# Altium PCB GPS_MODULE_ZED-F9T.PcbDoc
Units mil, origin at the board's own origin, x right, y up, seen from the top; angles counter-clockwise.
Board outline 2644.72 x 1250.12 mil, 4 copper layers (Top Layer, Int1 (GND), Int2 (GND), Bottom Layer), stack 61.24 mil thick; 40 components, 32 nets, 195 pads, 699 vias.
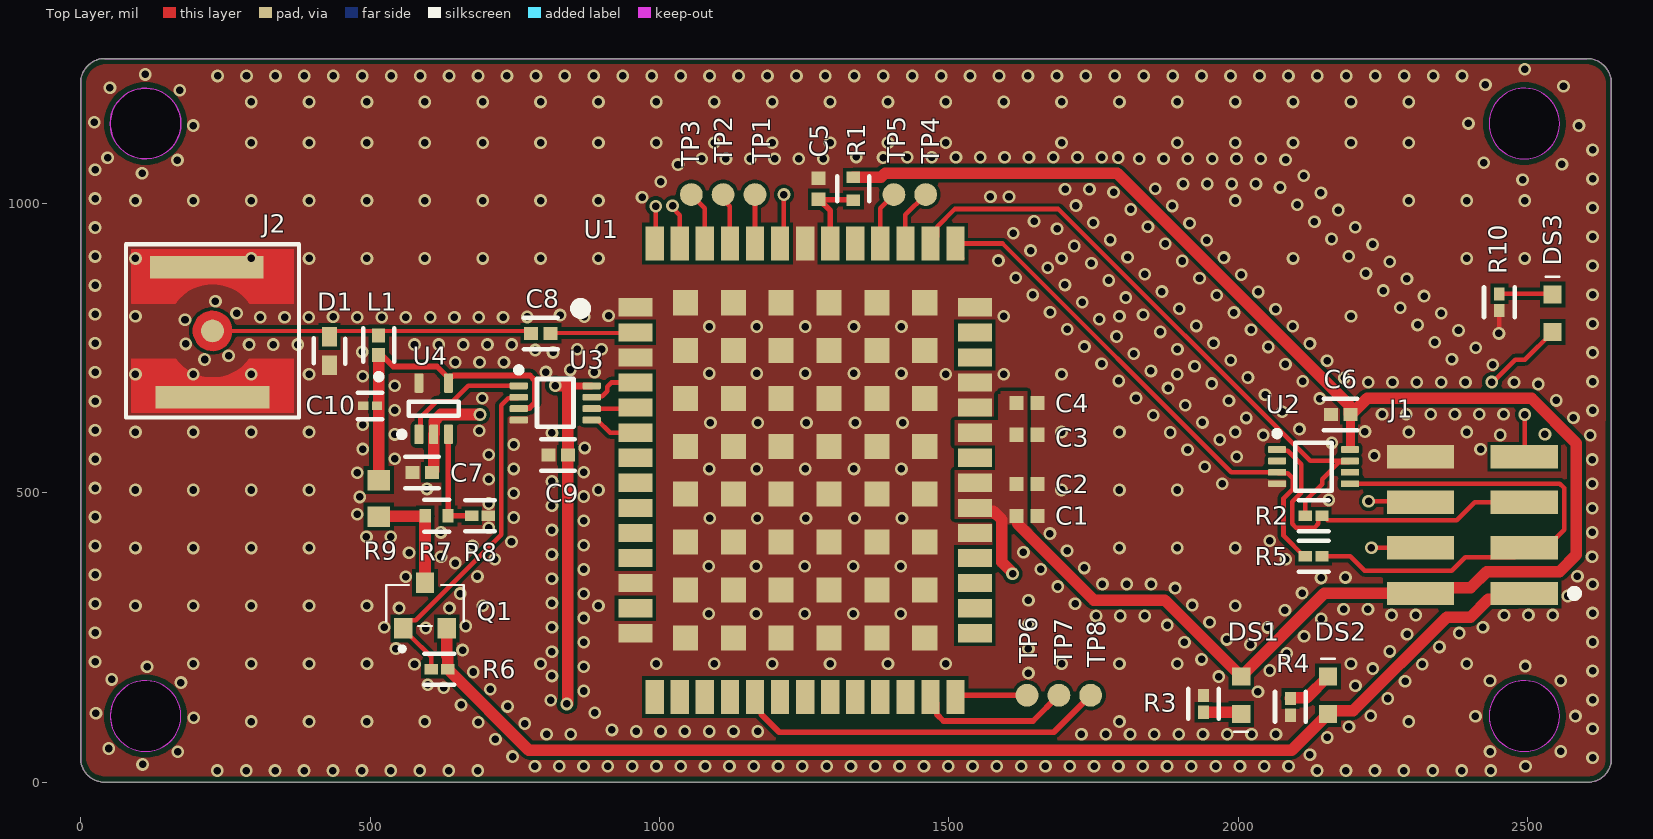
[diagram p0: Top Layer view]
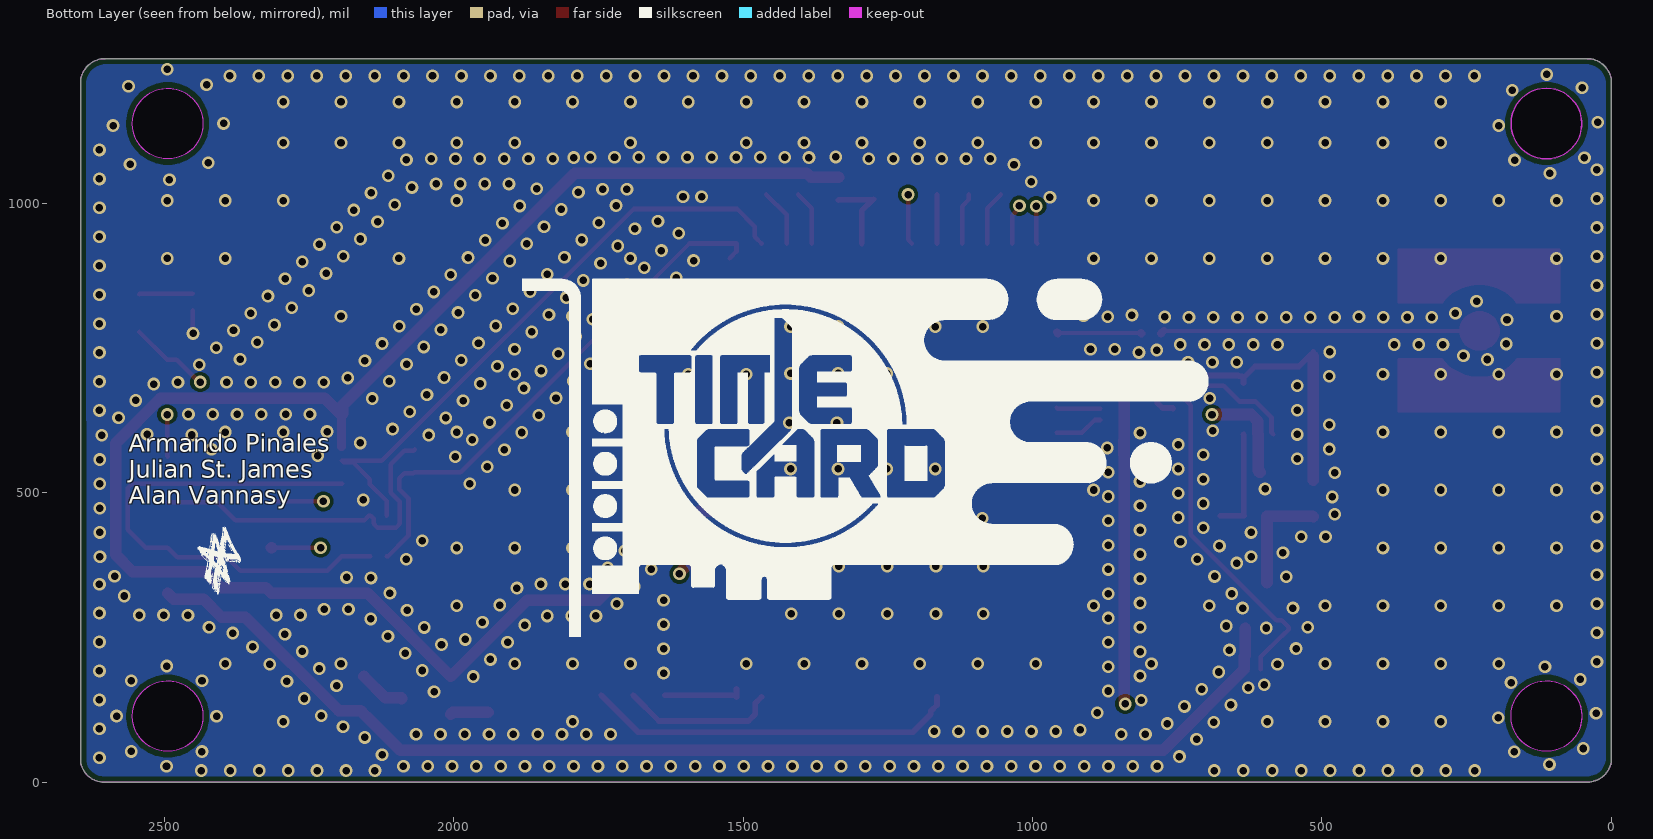
[diagram p1: Bottom Layer view, seen from below]
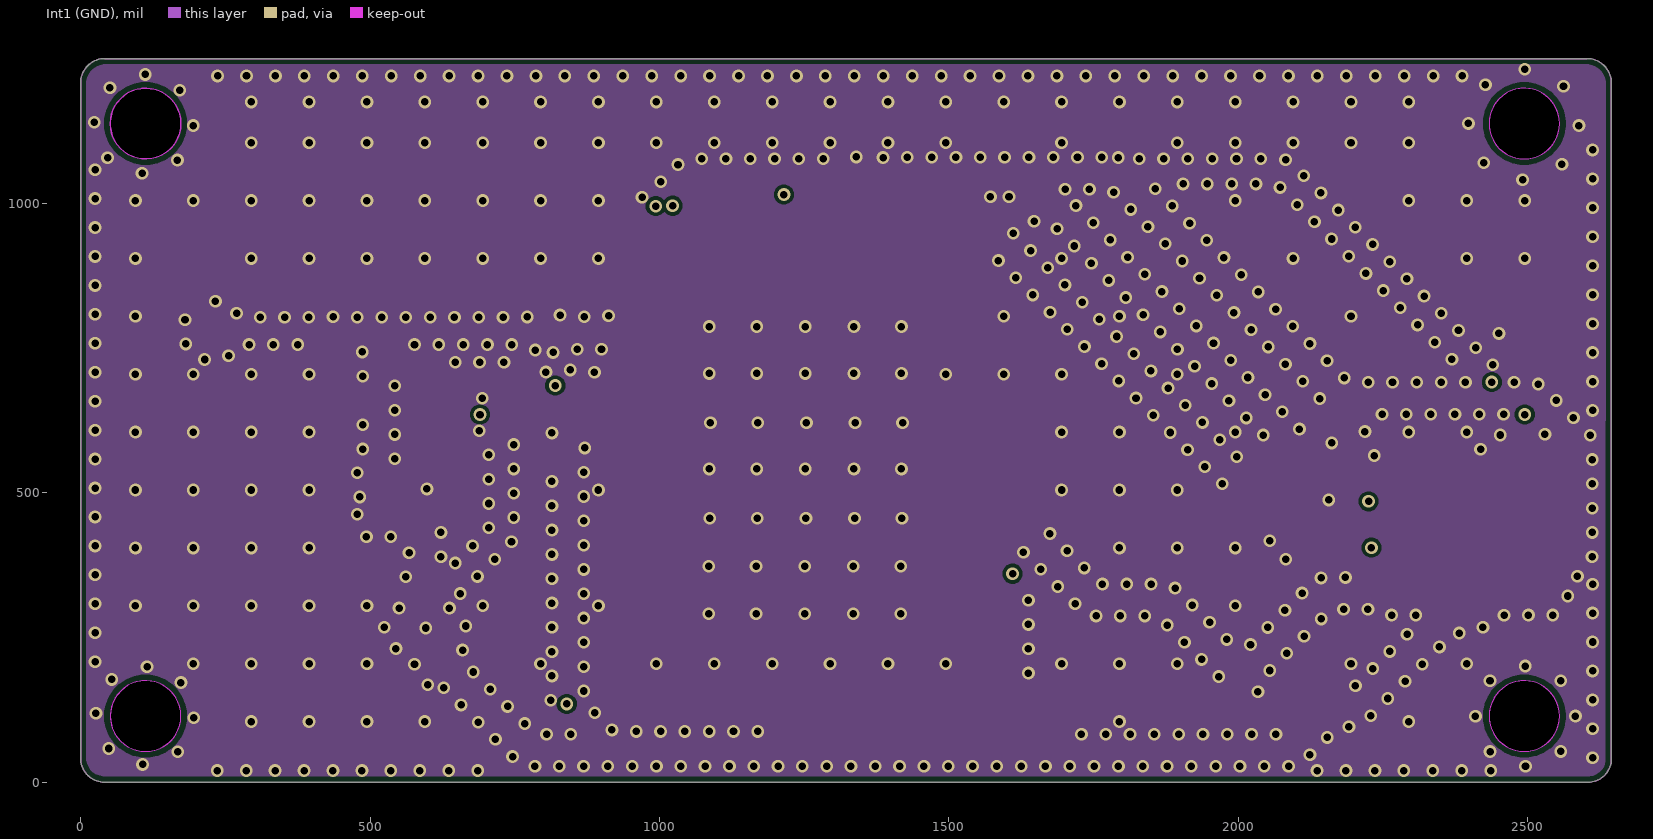
[diagram p2: Int1 (GND)]
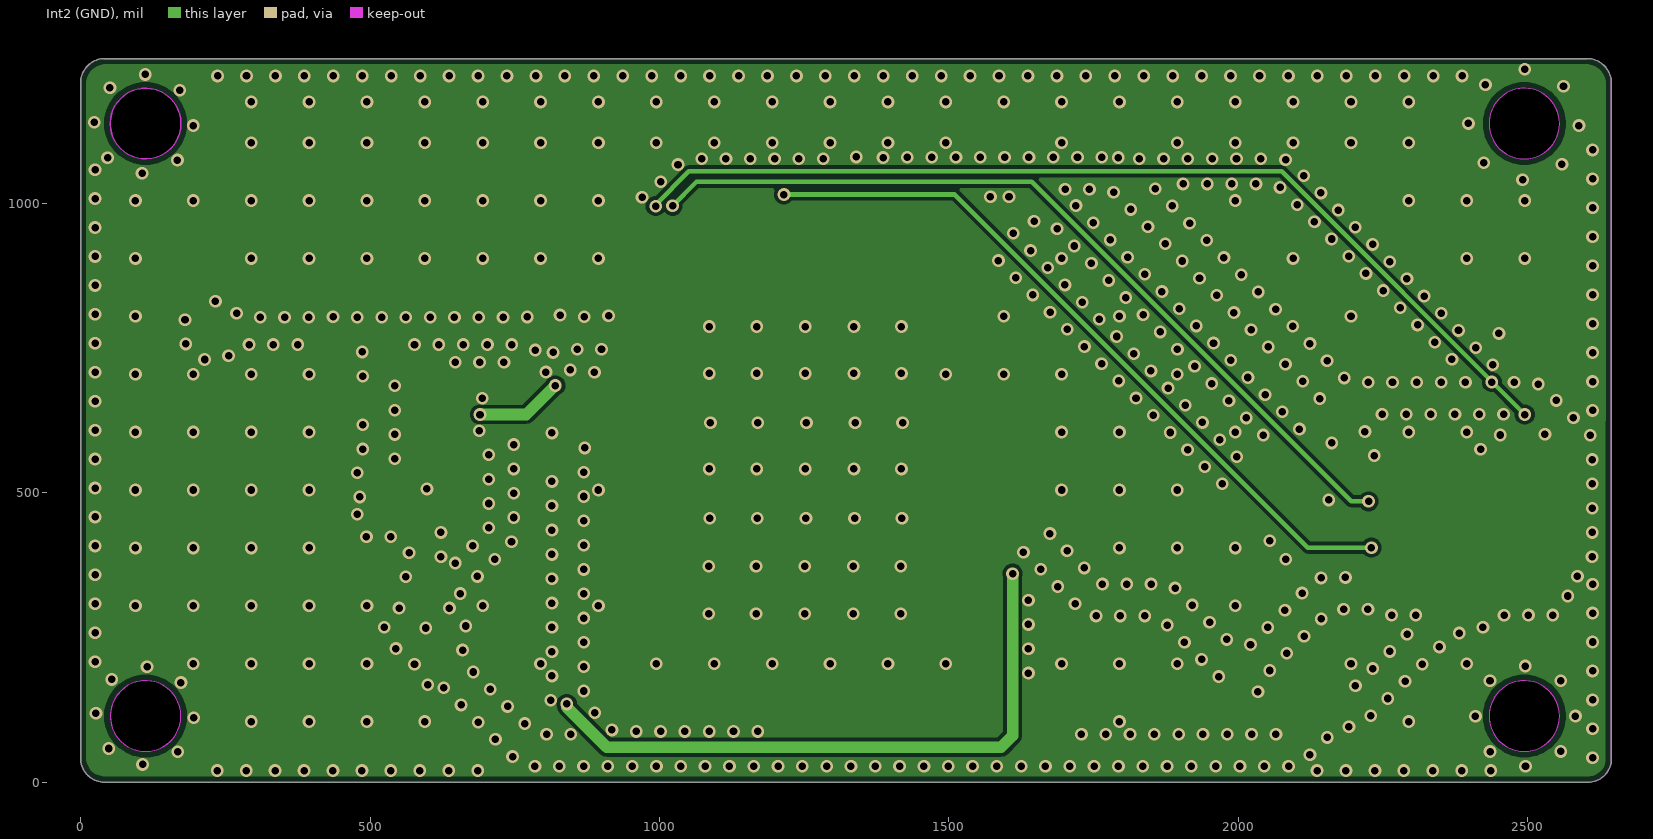
[diagram p3: Int2 (GND)]
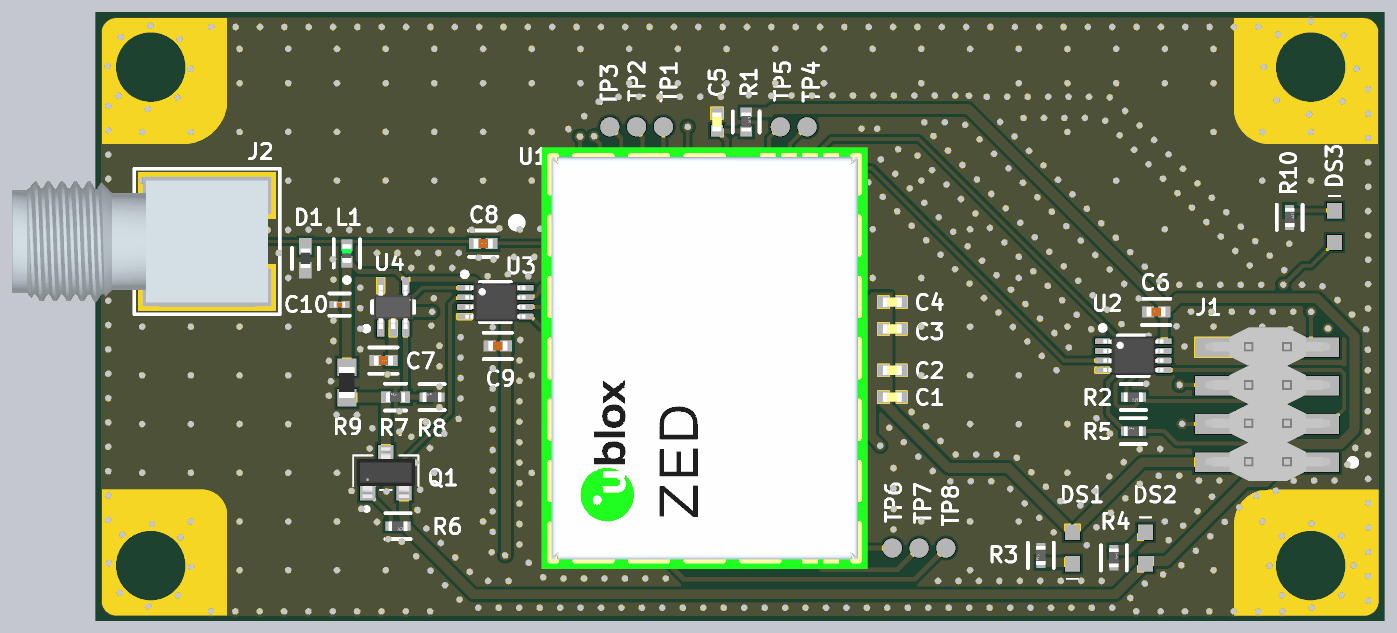
[diagram p4: 3D render of the assembled board from above, using the file's embedded part models]

## Layer stack, top to bottom
Top Solder: solder mask 0.6, SM-001, Dk 3.9
Top Layer: signal copper 1.8
Dielectric 2: prepreg 4.12, PP-021, Dk 3.7
Int1 (GND): signal copper 1.2
Dielectric 3: core 47, Core-039, Dk 4.04
Int2 (GND): signal copper 1.2
Dielectric 4: prepreg 4.12, PP-021, Dk 3.7
Bottom Layer: signal copper 1.8
Bottom Solder: solder mask 0.6, SM-001, Dk 3.9

## Board outline
0,41.14 ccw(c41.14,41.14) 41.14,0 2604.45,-0.16 ccw(c2604.41,39.96) 2644.53,39.96 2644.65,1207.48 ccw(c2602.13,1207.44) 2602.13,1249.96 42.05,1249.88 ccw(c42.09,1207.72) -0.08,1207.72
cut-out: 2433.11,1137.64 ccw(c2494.13,1137.64) 2494.13,1076.61 ccw(c2494.13,1137.64) 2555.16,1137.64 ccw(c2494.13,1137.64) 2494.13,1198.66 ccw(c2494.13,1137.64)
cut-out: 2433.11,114.02 ccw(c2494.13,114.02) 2494.13,52.99 ccw(c2494.13,114.02) 2555.16,114.02 ccw(c2494.13,114.02) 2494.13,175.04 ccw(c2494.13,114.02)
cut-out: 51.22,114.02 ccw(c112.24,114.02) 112.24,52.99 ccw(c112.24,114.02) 173.27,114.02 ccw(c112.24,114.02) 112.24,175.04 ccw(c112.24,114.02)
cut-out: 112.24,1076.61 cw(c112.24,1137.64) 51.22,1137.64 cw(c112.24,1137.64) 112.24,1198.66 cw(c112.24,1137.64) 173.27,1137.64 cw(c112.24,1137.64)

## Design rules (kind name [scope] priority, off if disabled: settings)
BoardOutlineClearance [All] p1: gap=10 ignorepadtopadclearanceinfootprint=FALSE except(0: Arc-SplitContinuation Track-SplitContinuation SMDPad-SplitContinuation THPad-SplitContinuation Via-SplitContinuation Fill-SplitContinuation Poly-SplitContinuation Region-SplitContinuation Text-SplitContinuation)
Clearance [All] p1: gap=6 ignorepadtopadclearanceinfootprint=FALSE
HoleSize [All] p1: absolutevalues=TRUE maxlimit=248.03 minlimit=11.81 maxpercent=80.000 minpercent=20.000
MinimumSolderMaskSliver [All] p1: minsoldermaskwidth=6
PolygonConnect [All] p1: connectstyle=Direct reliefconductorwidth=10 reliefentries=4 polygonreliefangle="90 Angle" airgapwidth=10
RoutingVias [All] p1: holewidth=12 width=18 viastyle="Through Hole" minholewidth=12 minwidth=18 maxholewidth=28 maxwidth=50
SilkToSolderMaskClearance [IsPad] p1: minsilkscreentomaskgap=6 clearancetoexposedcopper=TRUE
SolderMaskExpansion [All] p1: expansion=2 istentingtop=FALSE
Width RF [InNetClass('RF')] p1: maxlimit=13.24 minlimit=5 preferedwidth=13.24 toplayer_prefwidth=7 bottomlayer_prefwidth=7 impedanceprofiledriven=TRUE impedanceprofileid={1FA9C217-3A50-41E3-A2B0-EC4E4B4F348F} impedanceprofilevalue=50.000000 minimp=50.000000 maximp=50.000000 favimp=50.000000
Width [All] p2: maxlimit=20 minlimit=6 preferedwidth=8 minimp=50.000000 maximp=50.000000 favimp=50.000000
27 further rules are at their usual default settings.

## Classes and differential pairs
net class RF: RF_ANT RF_IN
component class ZED-F9T_GNSS_Receiver: C1 C2 C3 C4 C5 C6 DS1 DS2 DS3 J1 R1 R2 R3 R4 R5 R10 TP1 TP2 TP3 TP4 TP5 TP6 TP7 TP8 U1 U2
component class Antenna_Supervisor: C7 C8 C9 C10 D1 J2 L1 Q1 R6 R7 R8 R9 U3 U4

## Components (designator, comment, footprint, x,y, rotation, side; value= is the part's Value field where it differs from the comment)
C1 "Murata_GRM155R61E105KA12D" CAPC1005X055N 1635,460 r0 top
C2 "Murata_GRM155R61E105KA12D" CAPC1005X055N 1635,515 r0 top
C3 "Murata_GRM155R61E105KA12D" CAPC1005X055N 1635,600 r0 top
C4 "Murata_GRM155R61E105KA12D" CAPC1005X055N 1635,655 r0 top
C5 "Murata_GRM155R61E105KA12D" CAPC1005X055N 1275,1025 r90 top
C6 "100nF" FP-0402-L_1_0_0_05-W_0_5-IPC_B 2176.87,635 r180 top
C7 "100nF" FP-0402-L_1_0_0_05-W_0_5-IPC_B 590,535 r180 top
C8 "100nF" FP-0402-L_1_0_0_05-W_0_5-IPC_B 795,775 r180 top
C9 "100nF" FP-0402-L_1_0_0_05-W_0_5-IPC_B 825,565 r180 top
C10 "10nF" FP-GRM033-0_03-IPC_B 500,650 r180 top
D1 "PESD0402-140" FP-PESD0402-MFG 430,745 r90 top value=0.25pF
DS1 "Lumex_SML-LXFM0603SUGCTR" LEDS160X80X110-2N_LXFM0603-GR 2005,150 r90 top
DS2 "Lumex_SML-LXFM0603SUGCTR" LEDS160X80X110-2N_LXFM0603-GR 2155,150 r270 top
DS3 "Lumex_SML-LXFM0603SUGCTR" LEDS160X80X110-2N_LXFM0603-GR 2543,810 r270 top
J1 "NRPN042MAMS-RC" NRPN042MAMS-RC 2493.9,325.98 r180 top locked
J2 "SMB_131-3711-301" CONN_131-3711-301 227.95,779.53 r270 top locked
L1 "47nH 300mA" FP-LQG15HH_02-IPC_B 515,755 r90 top
Q1 "onsemi_NTR2101PT1G" SOT23_3pins_300x140x112 595,305 r0 top
R1 "1k" FP-RMCF0402-MFG 1335,1025 r90 top
R2 "10k" FP-RMCF0402-IPC_C 2130,460 r0 top
R3 "10k" FP-RMCF0402-IPC_C 1940,135 r270 top
R4 "10k" FP-RMCF0402-IPC_C 2090,130 r90 top
R5 "10k" FP-RMCF0402-IPC_C 2130,390 r180 top
R6 "100k" FP-RMCF0402-IPC_C 620,195 r0 top
R7 "1k" FP-RMCF0402-MFG 615,460 r180 top
R8 "100k" FP-RMCF0402-IPC_C 690,460 r180 top
R9 "Vishay_RCP0603W25R0GEB" RESC1608X055N 515,490 r90 top
R10 "10k" FP-RMCF0402-IPC_C 2451,829 r90 top
TP1 "SMT_100DIA" TP001V_SMT_100DIA#1 1165,1015 r90 top
TP2 "SMT_100DIA" TP001V_SMT_100DIA#1 1110,1015 r90 top
TP3 "SMT_100DIA" TP001V_SMT_100DIA#1 1055,1015 r90 top
TP4 "SMT_100DIA" TP001V_SMT_100DIA#1 1460,1015 r90 top
TP5 "SMT_100DIA" TP001V_SMT_100DIA#1 1405,1015 r90 top
TP6 "SMT_100DIA" TP001V_SMT_100DIA#2 1635,95 r90 top
TP7 "SMT_100DIA" TP001V_SMT_100DIA#2 1690,95 r90 top
TP8 "SMT_100DIA" TP001V_SMT_100DIA#3 1745,205 r90 top
U1 "ZED-F9T-00B" GPS_ZED-F9T 958.39,820.16 r270 top locked
U2 "SN74LVC3G07DCUR" DCU0008A_N 2130,545 r0 top
U3 "SN74LVC3G07DCUR" DCU0008A_N 820,655 r0 top
U4 "LPV511MGX/NOPB" DCK0005A_N 610,645 r90 top

## Footprints (in the part's own frame and the unit in brackets; to place one, negate y for a bottom-side part, rotate by r counter-clockwise, add the part's x,y. Pads: shape width x height; smd on the part's side, far side on the other; paste and mask are expansions set on the pad)
CAPC1005X055N [mm] "Chip Capacitor, Body 1.0x0.5mm, Hieght 0.55mm"
  rect 0.6x0.62 smd paste+0 mask+0.05: 1(-0.46,0) 2(0.46,0)
  body extent -0.5,-0.25 0.5,0.25, height 0.55
CONN_131-3711-301 [mm]
  round 1 smd mask+0: 1(0,0)
  rect 1x5 smd mask+0: 2(-2.794,-0.254) 3(2.916,0)
  Top Layer circle w0.013: c0,0 r0.864
  Top Layer region: 1.219,-3.556 3.581,-3.556 3.581,3.556 1.219,3.556 1.219,1.642 1.827,0.919 2.045,0 1.827,-0.918 1.219,-1.641 1.219,-1.641
  Top Layer region: -3.581,-3.556 -1.219,-3.556 -1.219,-1.641 -1.827,-0.918 -2.045,0 -1.827,0.919 -1.219,1.642 -1.219,1.642 -1.219,3.556 -3.581,3.556
  Top Layer region: -0.864,0 -0.798,-0.33 -0.611,-0.61 -0.33,-0.798 0,-0.863 0,-0.863 0.331,-0.798 0.611,-0.61 0.798,-0.33 0.864,0 0.864,0 0.798,0.331 0.611,0.611 0.331,0.798 0,0.864 0,0.864 -0.33,0.798 -0.611,0.611 -0.798,0.331 -0.864,0
  Top Layer lines w0.013: 3.581,-3.556 1.219,-3.556 1.219,-1.641 ccw(c0,0) 1.219,1.642 1.219,3.556 3.581,3.556 3.581,-3.556 ; -1.219,-3.556 -3.581,-3.556 -3.581,3.556 -1.219,3.556 -1.219,1.642 ccw(c0,0) -1.219,-1.641 -1.219,-3.556
  silkscreen extent -3.8,-3.8 3.8,3.8, body extent -3.18,-10.16 3.18,3.18, height 8.27
DCK0005A_N [mm] "SOT23, 5-Leads, Body 2.15x1.4mm, Pitch 0.65mm, IPC Medium Density"
  rrect25% 0.85x0.4 smd: 1(-1.125,0.65) 2(-1.125,0) 3(-1.125,-0.65) 4(1.125,-0.65) 5(1.125,0.65)
  silkscreen extent -1.25,-1.1 0.3,1.52, body extent -1.14,-1 1.14,1, height 0.94
DCU0008A_N [mm] "SOP, 8-Leads, Body 2.4x2.1mm, Pitch 0.5mm, IPC Medium Density"
  rrect33% 0.8x0.3 smd: 1(-1.6,0.75) 2(-1.6,0.25) 3(-1.6,-0.25) 4(-1.6,-0.75) 5(1.6,-0.75) 6(1.6,-0.25) 7(1.6,0.25) 8(1.6,0.75)
  silkscreen extent -1.72,-1.05 0.8,1.57, body extent -1.56,-1 1.56,1, height 0.9
FP-0402-L_1_0_0_05-W_0_5-IPC_B [mil]
  rect 24.23x22.54 smd paste+0 mask+0: 1(-16.87,0) 2(16.87,0)
  silkscreen extent -29,-27 29,27, body extent -35,-17 35,17, height 10
FP-GRM033-0_03-IPC_B [mil]
  rect 17.88x14.28 smd paste+0 mask+0: 1(-11.98,0) 2(11.98,0)
  silkscreen extent -21,-23 21,23, body extent -27,-13 27,13, height 10
FP-LQG15HH_02-IPC_B [mil]
  rect 24.23x22.54 smd paste+0 mask+0: 1(-16.87,0) 2(16.87,0)
  silkscreen extent -59,-27 29,27, body extent -35,-17 35,17, height 10
FP-PESD0402-MFG [mm]
  rect 0.85x0.65 smd paste+0 mask+0: 1(-0.625,0) 2(0.625,0)
  silkscreen extent -0.56,-0.69 0.55,0.7, body extent -1.15,-0.43 1.15,0.43, height 0.25
FP-RMCF0402-IPC_C [mil]
  rect 22.88x18.6 smd paste+0 mask+0: 1(-14.39,0) 2(14.39,0)
  silkscreen extent -26,-27 26,27, body extent -30,-15 30,15, height 10
FP-RMCF0402-MFG [mm]
  rect 0.5x0.6 smd paste+0 mask+0: 1(-0.5,0) 2(0.5,0)
  silkscreen extent -0.55,-0.7 0.55,0.7, body extent -0.85,-0.4 0.85,0.4, height 0.25
GPS_ZED-F9T [mm]
  rect 0.8x1.5 smd: 1(0,0) 2(1.1,0) 3(2.2,0) 4(3.3,0) 5(4.4,0) 6(5.5,0) 7(6.6,0) 8(7.7,0) 9(8.8,0) 10(9.9,0) 11(11,0) 12(12.1,0) 13(13.2,0) 14(14.3,0) 28(14.3,14.9) 29(13.2,14.9) 30(12.1,14.9) 31(11,14.9) 32(9.9,14.9) 33(8.8,14.9) 34(7.7,14.9) 35(6.6,14.9) 36(5.5,14.9) 37(4.4,14.9) 38(3.3,14.9) 39(2.2,14.9) 40(1.1,14.9) 41(0,14.9)
  rect 1.5x0.8 smd: 15(17.1,0.85) 16(17.1,1.95) 17(17.1,3.05) 18(17.1,4.15) 19(17.1,5.25) 20(17.1,6.35) 21(17.1,7.45) 22(17.1,8.55) 23(17.1,9.65) 24(17.1,10.75) 25(17.1,11.85) 26(17.1,12.95) 27(17.1,14.05) 42(-2.8,14.05) 43(-2.8,12.95) 44(-2.8,11.85) 45(-2.8,10.75) 46(-2.8,9.65) 47(-2.8,8.55) 48(-2.8,7.45) 49(-2.8,6.35) 50(-2.8,5.25) 51(-2.8,4.15) 52(-2.8,3.05) 53(-2.8,1.95) 54(-2.8,0.85)
  rect 1.1x1.1 smd: 55(-0.2,12.7) 55(-0.2,10.6) 55(-0.2,8.5) 55(-0.2,6.4) 55(-0.2,4.3) 55(-0.2,2.2) 55(1.9,12.7) 55(1.9,10.6) 55(1.9,8.5) 55(1.9,6.4) 55(1.9,4.3) 55(1.9,2.2) 55(4,10.6) 55(4,12.7) 55(4,6.4) 55(4,8.5) 55(4,2.2) 55(4,4.3) 55(6.1,10.6) 55(6.1,12.7) 55(6.1,6.4) 55(6.1,8.5) 55(6.1,2.2) 55(6.1,4.3) 55(8.2,12.7) 55(8.2,4.3) 55(8.2,6.4) 55(8.2,8.5) 55(8.2,10.6) 55(8.2,2.2) 55(10.3,12.7) 55(10.3,4.3) 55(10.3,6.4) 55(10.3,8.5) 55(10.3,10.6) 55(10.3,2.2) 55(12.4,12.7) 55(12.4,4.3) 55(12.4,6.4) 55(12.4,8.5) 55(12.4,10.6) 55(12.4,2.2) 55(14.5,8.5) 55(14.5,10.6) 55(14.5,12.7) 55(14.5,2.2) 55(14.5,4.3) 55(14.5,6.4)
  silkscreen extent -0.03,-2.48 0.13,-2.32, body extent -3.88,-1.1 18.12,15.9, height 2.49
LEDS160X80X110-2N_LXFM0603-GR [mm] "LED, Body 1.6x0.8mm, Height 1.10mm, LXFM0603-GR"
  rect 0.8x0.8 smd paste+0 mask+0.05: A(0.825,0) K(-0.825,0)
  silkscreen extent -1.6,-0.3 -1.6,0.3, body extent -0.8,-0.4 0.8,0.4, height 0.6
NRPN042MAMS-RC [mm]
  rect 2.95x1.02 smd: 1(0,0) 2(4.55,0) 3(0,-2) 4(4.55,-2) 5(0,-4) 6(4.55,-4) 7(0,-6) 8(4.55,-6)
  silkscreen extent -2.28,-0.08 -2.12,0.08, body extent -1.02,-7.05 5.48,0.95, height 5.81
RESC1608X055N [mm] "Chip Resistor, Body 1.6x0.8mm, Height 0.55mm"
  rect 0.9x1 smd paste+0 mask+0.05: 1(-0.8,0) 2(0.8,0)
  body extent -0.8,-0.4 0.8,0.4, height 0.55
SOT23_3pins_300x140x112 [mm] "SOT23, 3pins, Body Size 3.0x1.40x1.12mm, T-T = 2.40mm"
  rect 0.8x0.9 smd paste+0 mask+0.05: 1(-0.95,-1) 2(0.95,-1) 3(0,1)
  silkscreen extent -1.7,-2 1.7,0.9, body extent -1.52,-1.32 1.52,1.32, height 1.12
TP001V_SMT_100DIA#1 [mm] "Test Point, 1pin, Surface Mount 1.00mm Diameter"
  round 1 smd paste+0 mask+0.05: 1(0,0)
TP001V_SMT_100DIA#2 [mm] "Test Point, 1pin, Surface Mount 1.00mm Diameter"
  round 1 smd paste+0 mask+0.05: 1(1.397,0)
TP001V_SMT_100DIA#3 [mm] "Test Point, 1pin, Surface Mount 1.00mm Diameter"
  round 1 smd paste+0 mask+0.05: 1(-1.397,0)

## Part data
C1 C2 C3 C4 C5: library part CAP-CMP-00365-3, "CAP, CER, X5R, 1UF, 10%, 25V, 0402, 0.55MM T", Capacitance=1µF, Case/Package="0402 (1005 Metric)", Internal Part Number=825-00099-00, Manufacturer=Murata, Manufacturer Part Number=GRM155R61E105KA12D, Max Operating Temperature=85°C, Min Operating Temperature=-55°C, Supplier Part Number 1=490-10017-1-ND, Temperature Coefficient=X5R, Tolerance=±10%, Voltage Rating=25V, Applications="General Purpose", CATEGORY="Ceramic Capacitors", Composition=Ceramic, Datasheet URL=https://www.digikey.com/en/products/detail/murata-electronics/GRM155R61E105KA12D/4905139?s=N4IgTCBcDaIOICUCyBGArGhA2FBRFADGgNICCKYAIiALoC%2BQA, Height="0.022\" (0.55mm)", Mounting Type="Surface Mount, MLCC", Polarization=Non-polar, RoHS=Yes, Series=GRM155R61E, Size / Dimension="0.039\" L x 0.020\" W (1.00mm x 0.50mm)", Supplier 1=Digikey
C6 C7 C8 C9: library part CMP-14477-000330-2, "None", Case Code (Imperial)=0402, Case Code (Metric)=1005, Dielectric=X5R, Max Operating Temperature=85°C, Min Operating Temperature=-55°C, Package Quantity=10000, Tolerance=10%, Voltage Rating=50V, Capacitance=100nF, Case/Package=0402, Halogen Free="Halogen Free", Height=0.5mm, Length=0.039inch, Mount="Surface Mount", Packaging="Tape and Reel", RoHS Compliant=Yes, Termination=SMD/SMT, Thickness=0.022inch, Voltage Rating (DC)=50V, Width=0.02inch
C10: library part CMP-06035-000448-1, "Chip Multilayer Ceramic Capacitors for General Purpose, 0201, 10000pF, X7R, 15%, 10%, 16V", Dielectric=X7R, Tolerance=10%, Voltage Rating (DC)=16V, Capacitance=10nF, Length=600um, Thickness=300um, Width=300um
D1: library part CMP-08607-000011-1, "TVS DIODE 14V 40V 0402", Breakdown Voltage=14V, Capacitance=0.25pF, Clamping Voltage=40V, Manufacturer="Littelfuse Inc.", Package=PESD0402, Temperature="-55°C to +125°C", Temperature Range High=+125°C, Temperature Range Low=-55°C, Automotive=Yes, Automotive Grade="Grade 1", CATEGORY=Diode, ComponentLink2Description=Datasheet, ComponentLink2URL=https://www.littelfuse.com/~/media/electronics/datasheets/polymer_esd_suppressors/littelfuse_polymer_esd_suppressor_pesd_catalog_datasheet.pdf.pdf, Device Class L1="Circuit Protection", Device Class L2="TVS Diodes", Device Class L3=unset, Digikey Description="TVS DIODE 14V 40V 0402", Direction=Bidirectional, Height=0.43mm, Ipc Land Pattern Name=DIOC10050X33, Lead Free=Yes, Manufacturer Part Number=PESD0402-140, Number Of Channels=1, Octopart=https://octopart.com/pesd0402-140-littelfuse-74215061, Reverse Standoff Voltage=14V, RoHS=TRUE
DS1 DS2 DS3: library part LED-CMP-00021-2, "LED, GREEN, 574NM, 20MA, 20MCD MIN, 2.5VF MAX, 0603, 1.10MM T", Case/Package="0603 (1608 Metric)", Color=Green, Current - Test=20mA, Internal Part Number=838-00422-00, Manufacturer="Lumex Opto/Components Inc.", Manufacturer Part Number=SML-LXFM0603SUGCTR, Max Operating Temperature=85°C, Millicandela Rating=50mcd, Min Operating Temperature=-40°C, Supplier Part Number 1=67-2320-1-ND, Voltage - Forward (Vf) (Typ)=2.2V, CATEGORY="LED Indication - Discrete", Configuration=Independent, Datasheet URL=https://www.digikey.com/en/products/detail/lumex-opto-components-inc/SML-LXFM0603SUGCTR/7364547?s=N4IgTCBcDaIMoFkAyBaJANAYggDANhwGY4BVAcQGEAVAJRAF0BfIA, Height (Max)=1.10mm, Lens Color=Green, Lens Size="1.20mm x 0.80mm", Lens Style="Rectangle with Flat Top", Lens Transparency=Clear, Mounting Type="Surface Mount", RoHS=Yes, Size / Dimension="1.60mm L x 0.80mm W", Supplier 1=Digikey, Viewing Angle=120°, Wavelength - Peak=574nm
J1: "Dual Row 8 Position 2 mm Pitch Surface Mount Header", Color=Black, Manufacturer=Sullins, Package Quantity=1000, Supplier Part Number 1=S6009-04-ND, CATEGORY=Connectors, ComponentLink1Description=https://datasheet.ciiva.com/711/nrpnxx2mamx-rc-10495-d-711179.pdf?src-supplier=Digi-Key, ComponentLink1URL=https://datasheet.ciiva.com/711/nrpnxx2mamx-rc-10495-d-711179.pdf?src-supplier=Digi-Key, Connector Type="Male Pin", Contact Material=Brass, Contact Mating Length=0.141inch, Contact Plating=Gold, Contact Type="Male Pin", Height=1.5mm, Housing Material=Nylon, Lead Free="Lead Free", Length=8mm, Manufacturer Part Number=NRPN042MAMS-RC, Mount="Surface Mount", Number of Positions=8, Number of Rows=2, Packaging=Bulk, Pitch=0.079inch, Pricing 1="1=0.76000, 76=0.60237, 152=0.57618, 456=0.47143, 988=0.41904, 4940=0.37830 (USD)", RoHS=Yes, RoHS Compliant=Yes, Row Spacing=0.079inch, Stock 1=10801, Supplier 1=Digi-Key, Termination=Solder, Width=4mm
J2: library part CONN_131-3711-301, "Rf Coaxial Board Mount Connector", Case/Package=SMA, Dielectric Material=PTFE, Frequency=4Hz, Housing Color=Gold, Manufacturer="Bel Cinch", Manufacturer Part Number=131-3711-301, Max Frequency=4GHz, Max Operating Temperature=165°C, Min Operating Temperature=-65°C, Operating Frequency="0 to 4 Hz to GHz", Package Quantity=25, Supplier Part Number 1=J10507-ND, Voltage Rating=335V, Body Material=Brass, Body Plating=Gold, CATEGORY="RF / Coaxial Connectors", Center Contact Plating=Gold, ComponentLink1Description=http://www.mouser.com/Search/include/RoHSCompliant.aspx?qs=sxnx5FoGSWlI%252bs7K%252boh9Yg%3d%3d&src-supplier=Mouser, ComponentLink1URL=http://www.mouser.com/Search/include/RoHSCompliant.aspx?qs=sxnx5FoGSWlI%252bs7K%252boh9Yg%3d%3d&src-supplier=Mouser, ComponentLink2Description=http://www.mouser.com/Search/include/RoHSCompliant.aspx?qs=BzWiDxlKIe%2fRhe5ZDRBb2Q%3d%3d&src-supplier=Mouser, ComponentLink2URL=http://www.mouser.com/Search/include/RoHSCompliant.aspx?qs=BzWiDxlKIe%2fRhe5ZDRBb2Q%3d%3d&src-supplier=Mouser, ComponentLink3Description=http://www.onlinecomponents.com/datasheet/1313711301.aspx?p=11276490&src-supplier=Onlinecomponents.com, ComponentLink3URL=http://www.onlinecomponents.com/datasheet/1313711301.aspx?p=11276490&src-supplier=Onlinecomponents.com, ComponentLink4Description=http://www.mouser.com/Search/include/RoHSCompliant.aspx?qs=sxnx5FoGSWlgU0HI%252bkNgTA%3d%3d&src-supplier=Mouser, ComponentLink4URL=http://www.mouser.com/Search/include/RoHSCompliant.aspx?qs=sxnx5FoGSWlgU0HI%252bkNgTA%3d%3d&src-supplier=Mouser, ComponentLink5Description=http://www.mouser.com/Search/include/RoHSCompliant.aspx?qs=p2XSgoD%252b2ikka7OcbAcBow%3d%3d&src-supplier=Mouser, ComponentLink5URL=http://www.mouser.com/Search/include/RoHSCompliant.aspx?qs=p2XSgoD%252b2ikka7OcbAcBow%3d%3d&src-supplier=Mouser, ComponentLink6Description=http://www.mouser.com/Search/include/RoHSCompliant.aspx?qs=CoHYZihNMM5AOHZHjTCMkA%3d%3d&src-supplier=Mouser, ComponentLink6URL=http://www.mouser.com/Search/include/RoHSCompliant.aspx?qs=CoHYZihNMM5AOHZHjTCMkA%3d%3d&src-supplier=Mouser, ComponentLink7Description=http://www.mouser.com/Search/include/RoHSCompliant.aspx?qs=hJAXt0VUbWsyDbF0CdNvSg%3d%3d&src-supplier=Mouser, ComponentLink7URL=http://www.mouser.com/Search/include/RoHSCompliant.aspx?qs=hJAXt0VUbWsyDbF0CdNvSg%3d%3d&src-supplier=Mouser, Connector Type="SMB,Male Pin", Contact Material=Brass, Contact Plating=Gold,Nickel, Fastening Type=SNAP-ON, Gender=Female, Impedance=50R, Mount="Surface Mount", Orientation="Right Angle", Packaging=Bulk, Plating=Nickel, Polarity=Reverse, Pricing 1="1=7.75000, 10=7.00900, 25=6.62160, 50=6.46000, 100=6.13700, 250=5.49100, 500=5.16800, 1000=4.52200 (USD)", RoHS=Yes, Shell Plating=Nickel, Stock 1=475, Supplier 1=Digi-Key, Termination=Solder